# KiCad board Combined.kicad_pcb (continued)
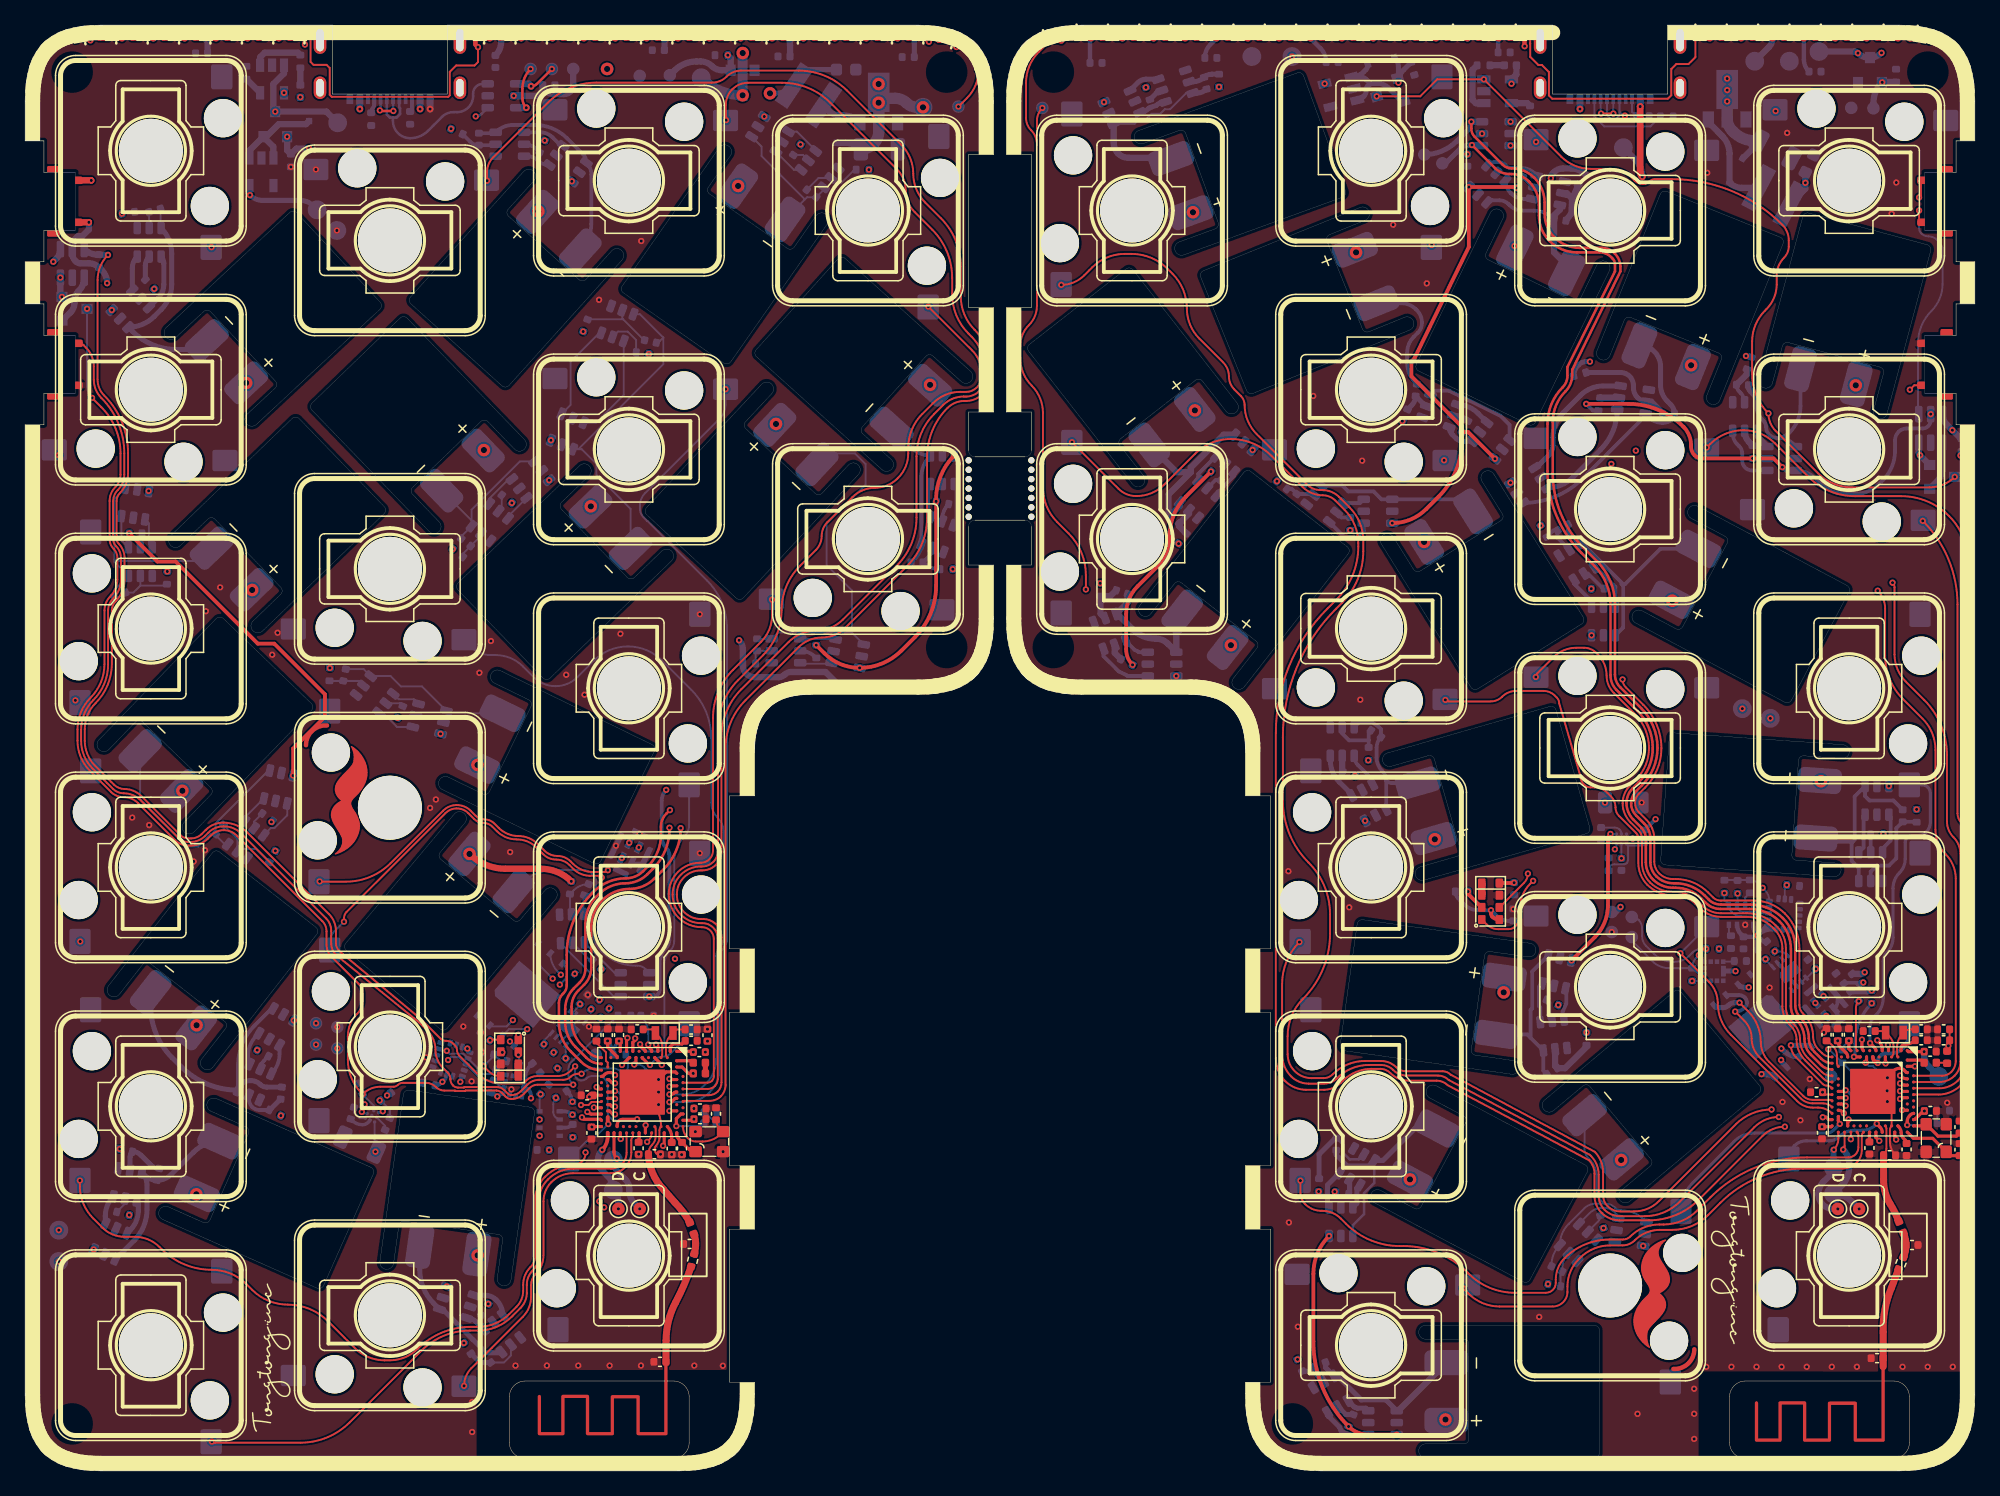
[diagram p0: board, top side]
## Routing (per net, layer and track width the routed paths; a pad name or vN(x,y) marks a point on that pad's centre or on a via; arc(x,y) is an arc through that point) (continued)
B1-: length 40.6
  Bottom w0.15: C1#2.2 10.8,99.16
  Bottom w0.3: Q11.6 arc(129.11,84.17) 129.02,84.02 124.17,79.17 arc(121.98,77.71) Q3#2.1
  Bottom w0.4: Q11.6 129.4,84.08 arc(129.9,83.75) 130.49,83.63 130.55,83.63 arc(130.97,83.71) 131.32,83.95 arc(131.42,84.09) 131.45,84.26 C1.2 arc(131.38,84.71) 131.15,85.04 130.86,85.33 arc(130.48,85.9) 130.34,86.58 130.34,88.07 arc(129.85,89.26) B1#2.1 ; B1.1 arc(13.71,89.61) 12.8,89.43 12.04,89.43 arc(10.16,89.8) 8.57,90.87 Q3.1 arc(9.34,91.43) 10.29,92.06 10.85,92.63 arc(11.47,93.55) 11.69,94.64 11.69,97.06 arc(11.47,98.18) Q11#2.6
B2-: length 27
  Bottom w0.3: C2.2 arc(121.12,100.32) 120.24,100.5 119.36,100.5 arc(118.8,100.61) 118.33,100.92 118.22,101.03 arc(117.89,101.25) 117.5,101.33 116.93,101.33 arc(116.71,101.29) Q4#2.1
  Bottom w0.4: B2.1 arc(14.4,26.07) 13.42,25.41 11.67,23.66 arc(11.13,23.31) C2#2.2 arc(9.96,23.29) 9.5,23.6 Q12#2.6 arc(9.61,23.34) 9.71,22.79 9.71,20.84 arc(9.45,19.51) 8.69,18.38 7.21,16.89 arc(7.2,16.89) Q4.1
  Bottom w0.5: Q12.6 122.32,100.59 121.86,100.13 C2.2 121.86,97.17 123.08,95.95
B3-: length 30.2
  Bottom w0.15: B3#2.1 9.17,53.55 12.94,49.79 13.79,49.79 14.78,50.78 C3.2 15.19,51.65 19.39,55.85 ; 15.9,49.98 15.11,50.77
  Bottom w0.5: 91.75,67.87 Q5.1 91.08,65.96 arc(90.63,66.26) 90.1,66.37 arc(89.11,66.57) 88.26,67.13 87.13,68.27 arc(87.05,68.32) Q13#2.6 87.87,69.25 C3#2.2
B4-: length 43.1
  Bottom w0.15: 65.89,66.86 65.89,70.22 63.89,72.23 63.89,75.54 66.99,78.64 66.99,80.29 66.14,81.14 63.97,81.14 ; 65.89,66.86 60.01,66.86 Q14#2.6 58.35,66.35 ; 65.89,66.86 Q6.1
  Bottom w0.3: 145.65,50.17 145.81,50.33 145.81,53.78 Q6#2.1 146.64,53.81 146.99,53.46 148.9,53.46 C4#2.2 ; 145.65,50.17 145.57,50.09 145.57,48.65 146.14,48.08 Q14.6 ; 145.65,50.17 143.01,50.17
B5-: length 27.7
  Bottom w0.15: Q7#2.1 39.43,80.5 35.59,76.66 Q15.6 34.76,74.51 ; Q7.1 88.42,107.42 88.78,107.78 89.33,107.78 89.77,108.22 90.46,108.22 90.83,108.59 91.25,108.59 92.54,109.88 Q15#2.6 ; 35.59,75.79 B5.1
  Bottom w0.4: Q15#2.6 93.41,109.88 arc(93.82,109.96) C5#2.2
  Bottom w0.5: Q7.1 86.76,105.92 arc(86.86,105.45) 87.12,105.05 arc(87.49,104.81) 87.93,104.72 91.16,104.72 arc(91.24,104.7) B5#2.1
B6-: length 30
  Bottom w0.15: 13.84,72.57 7.26,72.57 7.12,72.71 ; 7.12,72.71 7.12,77.52 Q8#2.1 ; 7.12,72.71 7.12,72.49 Q16.6 7.1,70.23 C6#2.2
  Bottom w0.3: Q8.1 140.91,81.91 arc(140.39,82.26) 139.78,82.38 139.62,82.38 ; B6#2.1 141.5,84.91 arc(141.28,83.78) 140.64,82.82 140.61,82.79 arc(140.15,82.49) 139.62,82.38 ; Q16#2.6 137.99,84.89 arc(138.1,84.35) 138.41,83.89 138.54,83.75 arc(138.7,83.52) 138.76,83.24 arc(139.01,82.63) 139.62,82.38
  Bottom w0.5: Q16#2.6 137.99,85.31 arc(137.93,85.64) 137.75,85.91 137.55,86.1 arc(137.41,86.32) C6.2
B7-: length 30.8
  Bottom w0.3: C7#2.2 37.33,106.68 arc(37.42,106.7) Q17.6 arc(38.15,107.19) 38.92,107.34 40.61,107.34 arc(42.01,107.06) 43.2,106.27 44.46,105.01 arc(44.66,104.7) Q9#2.1 arc(45.03,103.91) 45.13,103.39 45.13,99.43 arc(44.9,98.29) B7.1 ; 119.98,34.55 119.98,34.54 Q17#2.6 121,31.92 C7.2 ; 119.98,34.55 119.98,36.75 120.11,36.88 120.11,39.83 Q9.1 ; 119.98,34.55 119.73,34.81 B7#2.1
B8-: length 42.4
  Bottom w0.15: Q10#2.1 44.36,81.48 45.54,80.3 45.54,79.44 48.26,76.71 B8#2.1 ; 50.87,90.38 49,92.24 Q18#2.6 ; 50.87,90.38 50.87,88.26 44.09,81.48 ; 50.87,90.38 50.46,89.97
  Bottom w0.2: Q10.1 105.82,19.59 106.71,20.48 106.71,22.15 107.53,22.96 Q18.6
  Bottom w0.4: C8.2 104.5,25.2 105.38,24.31 107.08,24.31 Q18.6 108.22,24.76 110.77,27.31 B8.1
B9-: length 28.3
  Bottom w0.15: C9#2.2 26.98,63.94 Q23.6 ; Q19#2.1 31.63,62.56 29.96,62.56 29.13,63.39 27.57,63.39 ; B9#2.1 33.77,60.42
  Bottom w0.5: Q19.1 95.53,82.64 92.91,80.01 92.91,79.64 ; 92.91,79.64 91.13,77.87 91.13,76.38 C9.2 92.03,76.97 Q23#2.6 ; 92.91,79.64 91.77,79.64 B9.1
B10-: length 29.2
  Bottom w0.15: 62.12,101.37 62.32,101.57 C10#2.2 63.64,102.16 ; 62.12,101.37 B10#2.1 ; 62.12,101.37 62.12,101.43 58.7,104.85 58.7,105.61 Q20.1
  Bottom w0.3: 127.24,70.73 127.36,70.61 127.36,67.26 Q20#2.1 ; 127.24,70.73 127.24,70.84 124.09,73.99 Q24#2.6 122.96,74.9 C10.2 ; 127.24,70.73 127.54,70.73 130.33,73.53 B10.1
B11-: length 32.7
  Bottom w0.3: B11.1 70.6,81.62 arc(71.31,81.14) Q21.1 arc(71.61,80.17) 71.42,79.21 Q25#2.6 arc(71.31,73.33) 70.97,72.82 C11#2.2 ; Q21#2.1 118.32,83.41 117.58,84.15 113.49,86.14 112.35,86.14 Q25.6 111.3,86.51 arc(111.13,86.63) C11.2 110.79,86.8 arc(110.31,87.52) 110.14,88.37 110.14,89.15 arc(110.29,89.85) 110.68,90.45 111.01,90.77 arc(111.25,91.13) 111.33,91.56 arc(111.23,92.1) 110.92,92.57 110.83,92.65 arc(110.32,92.99) 109.71,93.11 B11#2.1
B12-: length 36.1
  Bottom w0.3: Q26#2.6 16.97,32.33 arc(17.31,34.05) 18.28,35.51 19.57,36.79 arc(19.66,36.85) Q22.1 ; Q26.6 104.99,78.58 105.45,78.11 107.47,78.11 108.1,77.48 Q22#2.1 114.44,77.48 ; C12#2.2 103.21,78.68
  Bottom w0.4: C12.2 19.25,30.61 arc(18.97,30.66) 18.73,30.82 arc(18.39,31.05) 17.99,31.13 17.95,31.13 arc(17.56,31.05) 17.23,30.83 17.11,30.72 arc(17,30.55) Q26#2.6 arc(14.51,30.85) 12.43,32.24 11.69,32.98 arc(10.45,34.84) 10.01,37.05 B12#2.1
B13-: length 23.9
  Bottom w0.15: 32.93,12.91 arc(32.89,12.9) 32.85,12.88
  Bottom w0.3: Q30#2.6 106.34,59.72 107.33,59.72 107.85,59.37 108.06,59.15 C13.2 arc(107.81,58.14) 107.71,57.69 107.71,56.89 arc(107.83,56.31) 108.16,55.81 108.16,55.81 arc(108.4,55.46) 108.48,55.06 ; B13#2.1 108.97,54.85 arc(108.7,54.9) 108.48,55.06 ; 108.48,55.06 Q27.1
  Bottom w0.4: B13.1 31.45,16.03 arc(31.74,14.59) 32.55,13.37 Q27#2.1 arc(33.24,12.86) 33.42,12.74 36.41,9.76 arc(36.51,9.6) C13#2.2 37.83,9.42 arc(37.91,9.44) Q30.6
B14-: length 31.3
  Bottom w0.15: B14#2.1 39.53,46.83 arc(40.75,47.65) 42.18,47.93 44.45,47.93 arc(44.84,47.85) 45.18,47.63 45.32,47.49 arc(45.47,47.27) 45.52,47.01 45.52,46.77 arc(45.47,46.54) 45.34,46.34 45.15,46.15 arc(44.88,45.97) C14.2 ; Q28#2.1 49.44,40.03 arc(49.16,40.22) 48.82,40.29 48.66,40.29 arc(47.19,40.58) 45.94,41.42 arc(45.39,42.24) 45.2,43.21 45.2,43.36 arc(45.13,43.69) 44.94,43.97 Q31#2.6 44.5,45.84
  Bottom w0.4: Q28.1 108.46,5.66 106.49,5.66 104.57,7.58 Q31.6 103.65,8.25 C14#2.2
  Bottom w0.5: 109.44,4.8 B14.1
B+: length 45.6
  Top w0.5: v1(35.42,49.2) arc(36.73,48.33) 38.27,48.02 41.11,48.02 arc(42.42,47.76) v2(43.53,47.02)
  In1.Cu w0.5: v2(126.42,80.3) 127.31,80.3 v2(128.37,81.36)
  In2.Cu w0.5: 35.43,100.7 35.47,100.74 35.47,103.36 arc(35.07,105.35) v2(33.95,107.03) ; v2(118.7,97.68) 119.84,98.82 arc(121.14,100.77) v2(121.6,103.08)
  Bottom w0.15: v2(137.15,88.91) 137.26,88.81 R16#2.1
  Bottom w0.4: v2(124.71,88.46) 124.43,88.46 arc(124.1,88.4) 123.81,88.21 123.78,88.18 arc(123.52,87.78) R11.1
  Bottom w0.5: v2(65,62.51) 63.8,63.71 61.04,63.71 arc(60.77,63.66) 60.54,63.5 arc(60.31,63.35) 60.05,63.3 58.14,63.3 arc(57.48,63.57) 57.21,64.23 R14.1 57.21,65.52 arc(57.13,65.91) v2(56.91,66.24) ; 2.81,93.75 v2(2.81,95.16) ; U3.6 150.92,81.23 arc(150.95,81.1) v2(151.02,80.99) Q2#2.2 ; R12#2.1 arc(123.85,103.74) 123.22,103.86 122.54,103.86 arc(122.18,103.79) 121.88,103.59 121.77,103.48 arc(121.65,103.3) v2(121.6,103.08)
  Bottom w1: v1(117.84,38.16) 117.84,39.32
  vias: v1(12.54,54.24) v1(13.67,35.54) v1(13.65,22.06) v1(17.62,86.76) v1(18.1,70.25) v1(36.06,56.3) v1(36.07,17.19) v1(36.57,81.41) v1(40.91,100.45) v1(45.09,76.92) v1(56.83,102.47) v1(59.85,83.49) v1(72.13,86.61) v1(93.08,100.37) v1(93.23,84.57) v1(96.1,65.85) v1(106.08,97.17) v1(110.37,23.25) v1(111.5,74.08) v1(112.35,50.37) v1(113.2,4.1) v1(127.2,24.8) v1(131.28,69.4) v1(132.78,88.17) v1(143.13,55) v1(145.9,86.57) v2(2.69,19.2) v2(2.94,93.62) v2(7.55,25.68) v2(7.72,100.26) v2(11.33,71.73) v2(19.95,49.45) v2(20.38,28.34) v2(24.29,64.03) v2(34.08,73.51) v2(34.97,10.2) v2(44.48,90.86) v2(67.26,103.77) v2(73.94,71.91) v2(85.68,70.78) v2(91.93,73.94) v2(95.15,110.37) v2(99.77,78.93) v2(101.41,8.89) v2(103.1,22.28) v2(107.05,56.67) v2(109.77,83.72) v2(120.79,75.38) v2(121.37,14.9) v2(124.44,34.96) v2(136.87,60.79) v2(150.75,52.75)
CC1: length 8.5
  Bottom w0.15: J1#2.A5 125.07,108 125.85,107.22 129.54,107.22 R33#2.1
  Bottom w0.3: J1.A5 27.83,108.94 arc(27.81,108.83) 27.75,108.74 arc(27.63,108.56) 27.59,108.35 R33.1
CC2: length 2.6
  Bottom w0.15: J1#2.B5 128.07,108.38 R34.1
  Bottom w0.3: R34#2.1 30.83,108.55 J1.B5
P0.02: length 129.7
  Top w0.15: U30#2.A12 54.4,30.46 arc(54.71,30.52) 54.97,30.7 arc(55.15,30.96) 55.21,31.26 55.21,42.46 arc(54.85,43.32) 53.99,43.68 53.89,43.68 arc(52.27,44.35) 51.61,45.96 arc(52.26,47.54) 53.85,48.2 53.96,48.2 arc(54.85,48.57) 55.23,49.47 55.23,59.21 arc(55.64,61.29) 56.82,63.05 58.81,65.04 arc(59.9,66.68) 60.29,68.61 arc(60.67,70.54) 61.76,72.18 63.03,73.44 arc(63.37,73.95) 63.49,74.55 arc(63.61,75.15) 63.95,75.66 65.94,77.66 arc(66.77,78.21) 67.74,78.4 arc(68.71,78.59) 69.53,79.14 69.59,79.2 arc(70.18,80.09) 70.39,81.13 70.39,81.59 arc(70.68,83.05) 71.51,84.29 72.38,85.17 arc(73.36,85.82) 74.52,86.05 74.99,86.05 arc(75.87,86.41) 76.23,87.28 76.23,87.56 arc(76.03,88.53) 75.49,89.35 v2(71.99,92.85) ; U30.A12 152.56,30.51 arc(153.36,30.67) 154.03,31.12 arc(154.43,31.72) 154.57,32.43 154.57,51.07 arc(154.5,51.42) 154.3,51.72 arc(154.09,52.04) 154.01,52.42 154.01,69.08 arc(153.29,72.69) v2(151.24,75.76)
P0.03: length 193.1
  Top w0.15: v2(83.43,82.03) 87.15,78.32 arc(87.79,77.89) 88.53,77.74 88.59,77.74 arc(89.78,77.98) 90.78,78.65 93.24,81.11 arc(94.55,81.99) 96.09,82.29 arc(97.85,81.94) 99.34,80.95 101.82,78.47 arc(102.56,77.98) 103.42,77.8 arc(103.96,77.7) 104.41,77.39 105.15,76.65 arc(105.97,75.43) 106.25,74 106.25,73.7 arc(105.8,71.41) 104.5,69.47 103.79,68.76 arc(100.75,64.21) 99.68,58.84 99.68,32.9 arc(99.88,31.91) 100.44,31.08 arc(101.2,30.57) 102.1,30.39 103.51,30.39 arc(104.24,30.54) 104.86,30.95 105.03,31.12 arc(106.08,31.82) 107.31,32.06 108.01,32.06 arc(108.44,31.98) 108.81,31.73 arc(109.48,31.28) 110.28,31.12 112.51,31.12 arc(112.98,31.03) 113.37,30.76 124.63,24.78 arc(124.97,24.28) 125.08,23.7 125.08,21.94 arc(125.23,21.2) 125.64,20.58 arc(126.31,20.14) 127.09,19.98 129.42,19.98 arc(131.57,20.41) 133.38,21.62 138.48,26.72 arc(139.29,27.26) v2(140.25,27.45)
  Top w0.25: U30.B13 149.49,30.26 arc(149.46,30.27) v2(149.43,30.29) ; U30#2.B13 51.86,30.21 arc(51.79,30.2) 51.73,30.16 51.69,30.11 arc(51.59,30.05) 51.48,30.03 v2(51.36,30.03)
  In2.Cu w0.15: v2(149.43,30.29) 149.24,30.29 arc(149.1,30.26) 148.98,30.18 arc(148.91,30.07) 148.88,29.94 148.88,29.44 arc(148.84,29.2) 148.7,29 arc(148.31,28.74) 147.84,28.64 147.4,28.64 arc(146.73,28.51) 146.16,28.13 145.73,27.7 arc(144.67,26.99) 143.43,26.74 141.97,26.74 arc(141.04,26.93) v2(140.25,27.45)
  Bottom w0.15: K10#2.1 35.59,65.67 arc(36.27,65.22) 37.07,65.06 37.49,65.06 arc(38.68,64.82) 39.69,64.15 40.54,63.3 arc(41.33,62.77) 42.28,62.58 arc(43.22,62.77) 44.02,63.3 45.35,64.63 arc(46.59,65.46) 48.05,65.75 arc(49.52,65.46) 50.76,64.63 53.09,62.29 arc(54.27,60.53) 54.69,58.45 54.69,53.3 arc(54.81,52.65) 55.18,52.11 arc(55.55,51.56) 55.67,50.91 55.67,42.5 arc(55.6,42.12) 55.38,41.79 arc(55.16,41.47) 55.09,41.08 55.09,32.88 arc(54.87,31.79) 54.25,30.86 54.14,30.75 arc(53.34,30.22) 52.38,30.03 v2(51.36,30.03)
P0.06: length 49.4
  Top w0.25: v2(147.04,34.11) 147.42,33.73 arc(147.49,33.63) U30.L1 ; v2(49.01,34.02) 49.01,33.97 arc(49.02,33.93) 49.05,33.89 49.42,33.51 arc(49.43,33.5) 49.44,33.48 U30#2.L1
  Bottom w0.15: K14#2.2 52.92,51.5 arc(52.83,51.02) 52.56,50.61 arc(51.95,49.7) 51.74,48.63 51.74,42.26 arc(51.66,41.85) 51.43,41.51 arc(51.07,40.98) 50.95,40.35 50.95,34.03 arc(50.78,33.62) 50.37,33.45 49.58,33.45 arc(49.18,33.61) 49.01,34.01 v2(49.01,34.02)
  Bottom w0.25: v2(147.04,34.11) 147.04,35.4 arc(147.13,35.85) 147.38,36.22 147.52,36.36 arc(147.95,36.99) 148.09,37.74 148.09,40.63 arc(148.17,41.02) 148.39,41.35 arc(148.75,41.88) 148.87,42.51 148.87,46.46 arc(149.01,47.13) 149.38,47.69 arc(149.72,48.2) 149.84,48.8 149.84,50.13 arc(149.88,50.33) 149.99,50.49 arc(150.18,50.62) 150.4,50.66 150.84,50.66 arc(151.2,50.74) 151.51,50.94 arc(151.77,51.32) 151.85,51.76 151.85,54.02 arc(151.8,54.29) 151.64,54.52 arc(151.44,54.66) 151.19,54.71 K3.2
P0.07: length 10.3
  Top w0.25: v2(49.8,32.38) 49.77,32.38 arc(49.75,32.38) 49.73,32.4 49.19,32.93 arc(49.19,32.94) 49.19,32.95 U30#2.M2
  Top w0.3: U30.M2 arc(147.3,32.82) 147.41,32.66 147.45,32.61 arc(147.54,32.55) v2(147.65,32.53)
  Bottom w0.15: v2(49.8,32.38) 50.21,32.79 arc(50.47,32.97) 50.79,33.03 arc(51.17,33.11) 51.49,33.32 52.29,34.12 arc(52.76,34.83) K13#2.2
  Bottom w0.3: v2(147.65,32.53) 147.65,32.57 arc(147.71,32.88) 147.88,33.13 arc(148.06,33.25) 148.27,33.29 148.67,33.29 arc(149.19,33.4) 149.63,33.69 149.67,33.73 arc(150.04,34.29) 150.17,34.94
P0.09: length 227.3
  Top w0.15: v2(139.19,28.82) arc(137.65,28.52) 136.34,27.64 130.21,21.51 arc(129.31,20.91) 128.23,20.69 127.14,20.69 arc(126.59,20.8) 126.12,21.11 arc(125.86,21.51) 125.76,21.98 125.76,23.84 arc(125.59,24.71) 125.09,25.45 113.61,31.6 arc(113.32,31.8) 112.96,31.87 110.03,31.87 arc(109.64,31.95) 109.31,32.17 arc(108.73,32.56) 108.05,32.69 106.8,32.69 arc(105.4,32.42) 104.21,31.62 arc(103.88,31.4) 103.49,31.32 102.53,31.32 arc(101.18,31.88) 100.62,33.23 100.62,34.68 arc(100.94,36.29) 101.85,37.65 arc(103.45,40.03) 104,42.84 104,44.38 arc(103.56,46.62) 102.29,48.51 arc(100.78,50.78) 100.24,53.46 100.24,58.52 arc(101.35,64.06) 104.48,68.75 104.94,69.2 arc(106.21,71.11) 106.65,73.35 106.65,74.19 arc(106.37,75.62) 105.55,76.84 104.74,77.66 arc(104.11,78.08) 103.37,78.22 103.22,78.22 arc(102.66,78.33) 102.19,78.65 98.16,82.67 arc(97.45,83.75) 97.19,85.01 arc(97.12,85.39) 96.9,85.71 96.38,86.23 arc(96.06,86.72) 95.94,87.29 arc(95.82,87.89) 95.48,88.4 93.59,90.3 arc(92.85,91.4) 92.59,92.7 arc(92.3,94.2) 91.44,95.47 91.05,95.86 arc(89.74,96.74) 88.18,97.05 87.64,97.05 arc(86.24,96.77) 85.05,95.98 84.41,95.34 arc(83.57,94.78) v2(82.58,94.58)
  Top w0.25: U30.L24 147.51,26.59 v2(147.78,26.32) ; U30#2.L24 49.44,27.54 arc(49.44,27.55) 49.45,27.56 v2(49.46,27.57)
  In1.Cu w0.15: v2(4.4,42.22) 4.28,42.22 arc(4.17,42.2) 4.07,42.14 2.9,40.96 arc(1.97,39.57) 1.65,37.93 1.65,26.83 arc(2.06,24.74) 3.24,22.98 6.67,19.55 arc(7.99,18.67) 9.55,18.36 arc(11.1,18.05) 12.42,17.17 13.18,16.4 arc(14.33,15.64) 15.69,15.37 arc(17.14,15.08) 18.37,14.26 19.23,13.4 arc(20.86,12.31) 22.78,11.93 23.16,11.93 arc(24.83,11.6) 26.24,10.65 arc(27.66,9.71) 29.32,9.38 33.56,9.38 arc(35.64,9.79) 37.41,10.97 38.65,12.22 arc(39.36,13.28) 39.61,14.52 39.61,15.26 arc(39.73,15.88) 40.08,16.41 arc(40.31,16.75) 40.4,17.16 40.4,21.98 arc(40.57,22.87) 41.08,23.62 41.11,23.65 arc(41.89,24.18) 42.82,24.36 43.07,24.36 47.37,24.36 arc(47.64,24.41) 47.88,24.57 arc(48.03,24.8) 48.09,25.08 48.09,25.49 arc(48.22,26.15) 48.59,26.7 v2(49.46,27.57)
  In2.Cu w0.15: v2(147.78,26.32) 147.48,26.02 arc(147.15,25.8) 146.75,25.72 145.89,25.72 arc(145.6,25.78) 145.35,25.94 arc(145.19,26.05) 144.99,26.09 140.98,26.09 arc(140.29,26.23) 139.7,26.62 arc(139.33,27.19) 139.19,27.85 v2(139.19,28.82)
P0.10: length 112.9
  Top w0.15: v2(49.58,26.24) 49.68,26.35 arc(49.87,26.63) U30#2.J24
  Top w0.25: v2(147.58,27.7) 147.58,27.67 147.85,27.4 arc(147.97,27.22) U30.J24
  In1.Cu w0.15: v2(4.01,61.45) 3.8,61.24 3.41,60.79 3.05,60.32 2.72,59.83 2.42,59.32 2.16,58.79 1.93,58.24 1.74,57.68 1.59,57.11 1.47,56.53 1.4,55.94 1.36,55.35 1.36,55.05 1.36,26.78 1.36,26.54 1.4,26.05 1.49,25.58 1.61,25.11 1.78,24.65 1.98,24.21 2.22,23.79 2.5,23.39 2.82,23.02 2.98,22.85 6.55,19.28 6.56,19.28 6.7,19.14 7.01,18.89 7.34,18.67 7.69,18.48 8.06,18.32 8.44,18.21 8.84,18.13 9.23,18.09 9.43,18.09 9.63,18.09 10.03,18.05 10.42,17.97 10.8,17.85 11.17,17.7 11.53,17.51 11.86,17.29 12.17,17.04 12.31,16.9 13.07,16.14 13.21,16 13.53,15.75 13.86,15.54 14.22,15.37 14.59,15.23 14.98,15.15 15.38,15.1 15.77,15.1 16.17,15.05 16.55,14.96 16.93,14.83 17.29,14.66 17.62,14.45 17.93,14.2 18.08,14.06 18.93,13.21 19.1,13.05 19.45,12.75 19.83,12.48 20.23,12.25 20.65,12.06 21.08,11.9 21.52,11.78 21.98,11.7 22.44,11.66 22.67,11.66 23.05,11.66 23.27,11.66 23.69,11.61 24.11,11.53 24.52,11.41 24.92,11.24 25.29,11.04 25.65,10.8 25.98,10.53 26.28,10.23 26.61,9.96 26.97,9.73 27.35,9.52 27.74,9.36 28.15,9.24 28.57,9.15 29,9.11 29.21,9.11 33.67,9.11 33.91,9.11 34.38,9.15 34.85,9.24 35.31,9.36 35.75,9.52 36.18,9.72 36.6,9.96 36.98,10.23 37.35,10.54 37.52,10.7 38.92,12.11 39.05,12.24 39.28,12.52 39.47,12.83 39.63,13.16 39.75,13.51 39.83,13.87 39.87,14.23 39.88,14.41 39.88,15.02 arc(40.02,15.73) 40.42,16.34 arc(40.63,16.64) 40.7,16.99 40.7,22.01 40.7,22.14 40.73,22.4 40.8,22.65 40.9,22.9 41.03,23.13 41.19,23.34 41.29,23.43 41.39,23.53 41.63,23.71 41.88,23.86 42.16,23.97 42.44,24.05 42.73,24.09 42.88,24.09 47.25,24.09 47.26,24.08 47.5,24.09 47.75,24.16 47.97,24.28 47.99,24.3 48,24.3 48.07,24.38 48.15,24.45 48.15,24.46 48.16,24.47 48.29,24.7 48.36,24.95 48.36,25.19 48.36,25.2 48.36,25.37 48.36,25.37 48.36,25.6 48.4,25.83 48.41,25.85 48.48,25.98 48.54,26.05 48.6,26.1 48.75,26.18 48.91,26.23 49.56,26.23 v2(49.58,26.24)
  Bottom w0.25: v2(147.58,27.7) 147.46,27.58 arc(147,27.27) 146.45,27.16 145.83,27.16 arc(145.14,27.03) 144.55,26.63 arc(144.21,26.4) 143.81,26.32 141.97,26.32 arc(141.46,26.22) 141.02,25.93 141.01,25.92 arc(140.69,25.44) K5#2.2
P0.13: length 204.7
  Top w0.15: U30.AD8 143.91,31.51 arc(143.54,31.59) 143.21,31.8 142.07,32.95 arc(141.62,33.62) 141.46,34.41 arc(141.33,35.09) 140.94,35.66 140.86,35.75 arc(140.47,36.33) 140.33,37.01 140.33,41.7 arc(140.15,42.62) 139.63,43.39 139.5,43.53 arc(138.45,44.23) 137.21,44.47 135.15,44.47 arc(134.35,44.63) 133.67,45.08 133.37,45.39 arc(132.5,45.97) 131.47,46.17 131.31,46.17 arc(130.34,46.37) 129.52,46.92 arc(129.04,47.64) 128.86,48.5 128.86,50.43 arc(128.79,50.78) 128.59,51.08 127.95,51.73 arc(127.49,52.42) 127.32,53.23 arc(127.48,54) 127.91,54.65 128.37,55.11 arc(129.15,56.28) 129.42,57.65 arc(129.13,59.11) 128.31,60.35 126.62,62.03 arc(126.19,62.68) 126.04,63.43 arc(125.86,64.34) 125.35,65.11 125.21,65.24 arc(124.77,65.54) 124.25,65.64 123.61,65.64 arc(122.64,65.45) 121.82,64.9 120.52,63.6 arc(120.44,63.47) v2(120.4,63.31)
  Top w0.25: U30#2.AD8 45.99,31.46 arc(46.03,31.47) 46.07,31.5 46.19,31.62 arc(46.36,31.73) 46.57,31.77 46.66,31.77 arc(46.8,31.74) 46.91,31.67 v2(47.02,31.56)
  In1.Cu w0.15: v2(45.77,21.5) 45.77,21.96 arc(45.68,22.38) 45.44,22.74 45.2,22.99 arc(44.7,23.32) 44.1,23.44 42.75,23.44 arc(41.71,23.01) 41.29,21.97 41.29,17.02 arc(41.17,16.45) 40.85,15.97 arc(40.53,15.49) 40.42,14.92 40.42,14.19 arc(40.17,12.94) 39.46,11.88 37.74,10.16 arc(35.98,8.98) 33.89,8.57 28.99,8.57 arc(27.32,8.9) 25.91,9.85 arc(24.5,10.79) 22.83,11.12 22.44,11.12 arc(20.42,11.52) 18.71,12.67 17.85,13.52 arc(16.7,14.29) 15.35,14.56 arc(14,14.83) 12.85,15.6 12.09,16.36 arc(10.77,17.24) 9.21,17.55 arc(7.58,17.87) 6.2,18.8 2.45,22.55 arc(1.2,24.42) 0.76,26.63 0.76,78.18 arc(1.12,80.02) 2.17,81.58 5.72,85.14 arc(6.22,85.88) 6.4,86.76 arc(6.73,88.45) 7.69,89.88 14.47,96.67 arc(14.76,97.09) v2(14.86,97.59)
  In2.Cu w0.15: v2(47.02,31.56) arc(46.74,31.51) 46.51,31.35 46.41,31.25 arc(46.21,30.95) 46.14,30.59 46.14,29.3 arc(46.09,29.07) 45.96,28.88 arc(45.76,28.57) 45.69,28.21 45.69,27.38 arc(45.76,27.01) 45.97,26.69 46.54,26.12 arc(46.63,25.99) 46.66,25.83 46.66,25.72 arc(46.64,25.59) 46.56,25.48 arc(46.41,25.25) 46.36,24.99 46.36,22.94 arc(46.21,22.16) v2(45.77,21.5)
P0.14: length 131.6
  Top w0.25: v2(47.02,30.91) 46.92,30.91 arc(46.82,30.93) 46.74,30.99 46.54,31.18 arc(46.51,31.2) 46.48,31.21 U30#2.AC9
  In1.Cu w0.15: 46.21,21.11 arc(46.2,21.08) 46.18,21.04 v2(46.15,21.02) arc(46.27,21.2) 46.32,21.41 46.32,21.42 arc(46.12,22.39) 45.57,23.21 arc(44.97,23.62) 44.25,23.76 42.75,23.76 arc(42.08,23.63) 41.52,23.25 arc(41.12,22.66) 40.99,21.97 40.99,17.06 arc(40.88,16.53) 40.58,16.08 arc(40.26,15.6) 40.15,15.04 40.15,14.3 arc(39.9,13.05) 39.19,12 37.63,10.43 arc(35.86,9.25) 33.78,8.84 29.1,8.84 arc(27.43,9.17) 26.02,10.11 arc(24.61,11.06) 22.94,11.39 22.56,11.39 arc(20.53,11.79) 18.82,12.94 17.96,13.79 arc(16.82,14.56) 15.46,14.83 arc(14.11,15.1) 12.96,15.87 12.2,16.63 arc(10.88,17.51) 9.32,17.82 arc(7.72,18.14) 6.36,19.05 2.8,22.61 arc(1.51,24.54) 1.06,26.81 1.06,77.06 arc(1.48,79.19) v2(2.69,81)
  In2.Cu w0.15: v2(47.02,30.91) 46.76,30.91 arc(46.68,30.9) 46.61,30.85 arc(46.52,30.71) 46.49,30.55 46.49,29.18 arc(46.43,28.92) 46.29,28.7 arc(46.1,28.42) 46.04,28.1 46.04,27.69 arc(46.14,27.17) 46.44,26.73 46.77,26.39 arc(46.97,26.1) 47.04,25.75 47.04,25.66 arc(47,25.47) 46.89,25.3 46.85,25.26 arc(46.73,25.08) 46.69,24.88 46.69,22.3 arc(46.55,21.61) v2(46.15,21.02)
P0.15: length 52.2
  Top w0.15: U30.AD10 143.96,31.01 arc(143.63,31.08) 143.35,31.26 141.88,32.74 arc(141.36,33.51) 141.18,34.41 arc(141.07,34.99) 140.74,35.47 140.67,35.55 arc(140.21,36.23) 140.05,37.03 140.05,41.67 arc(139.89,42.5) 139.42,43.19 139.3,43.31 arc(138.34,43.96) 137.2,44.18 135.18,44.18 arc(134.24,44.37) 133.44,44.9 133.13,45.21 arc(132.38,45.72) 131.49,45.89 131.34,45.89 arc(130.24,46.11) 129.3,46.74 arc(128.76,47.54) 128.57,48.48 128.57,50.45 arc(128.53,50.67) 128.4,50.86 127.03,52.24 arc(126.83,52.54) 126.75,52.9 arc(126.66,53.39) 126.38,53.81 126.11,54.07 arc(125.63,54.4) 125.05,54.51 124.75,54.51 arc(124.49,54.57) 124.26,54.71 124.24,54.74 arc(124.02,55.07) 123.94,55.45 122.26,61.22 arc(122.22,61.46) 122.08,61.67 121.9,61.84 arc(121.51,62.11) 121.04,62.2 118.83,62.2 arc(118.23,62.08) 117.72,61.74 arc(117.3,61.46) 116.81,61.36 113.48,61.36 arc(113.33,61.39) v2(113.19,61.48)
P0.24: length 82.8
  Top w0.15: v2(4.37,23.16) 4.37,22.71 arc(4.64,21.32) 5.44,20.13 6.18,19.39 arc(6.97,18.86) 7.92,18.67 8.75,18.67 arc(9.81,18.46) 10.71,17.86 10.87,17.69 arc(12.7,16.47) 14.87,16.04 arc(16.37,15.74) 17.65,14.89 18.1,14.44 arc(19.4,13.57) 20.95,13.26 arc(22.67,12.92) 24.14,11.94 26.28,9.8 arc(27.36,9.07) 28.64,8.82 29.08,8.82 arc(30.27,9.06) 31.28,9.73 arc(33.23,11.03) 35.53,11.49 36.13,11.49 arc(37.46,11.75) 38.58,12.51 39.17,13.1 arc(39.56,13.68) 39.7,14.36 39.7,14.85 arc(39.85,15.61) 40.28,16.25 arc(40.56,16.67) 40.66,17.17 40.66,21.62 arc(40.85,22.59) 41.4,23.41 41.47,23.48 arc(42.54,24.2) 43.81,24.45 arc(44.41,24.7) 44.67,25.31 v2(44.67,25.4) ; v2(131.92,41.28) 134.2,39 arc(134.72,38.23) 134.9,37.31 arc(135.18,35.94) 135.96,34.77 141.24,29.48 arc(141.81,29.11) 142.48,28.97 142.9,28.97 arc(143.5,28.85) U30.AD20
  Top w0.25: v2(44.82,28.63) 44.9,28.55 arc(44.99,28.48) 45.11,28.46 U30#2.AD20
  In2.Cu w0.15: v2(44.67,25.4) 44.67,27.51 arc(44.7,27.67) 44.79,27.8 arc(44.86,27.91) 44.89,28.04 44.89,28.46 arc(44.87,28.55) v2(44.82,28.63)
  Bottom w0.15: 134.02,43.38 v2(131.92,41.28)
P0.25: length 21.5
  Top w0.25: U30.AC21 144.51,27.95 arc(144.54,27.8) v2(144.63,27.67)
  Top w0.3: U30#2.AC21 46.44,27.71 v2(46.48,27.66)
  Bottom w0.15: K12.2 44.71,26.25 arc(44.85,26.35) 45.02,26.38 arc(45.18,26.41) 45.33,26.51 v2(46.48,27.66)
  Bottom w0.25: v2(144.63,27.67) 144.12,27.17 arc(143.88,27) 143.58,26.94 137.86,26.94 arc(136.97,26.77) 136.21,26.26 132.92,22.97 arc(132.22,21.92) K10.1
P0.28: length 143.7
  Top w0.15: v2(46.45,47.91) 46.38,47.84 arc(46.3,47.78) 46.21,47.77 45.22,47.77 arc(44.39,47.93) 43.68,48.4 43.48,48.61 arc(43,48.93) 42.43,49.04 arc(41.86,49.15) 41.38,49.47 40.87,49.98 arc(40.16,50.46) 39.31,50.63 arc(38.47,50.8) 37.75,51.28 37.38,51.64 arc(37.04,51.87) 36.64,51.95 arc(36.24,52.03) 35.9,52.26 35.51,52.64 arc(35.01,52.98) 34.41,53.1 arc(33.81,52.98) 33.31,52.64 29.13,48.46 arc(27.5,47.37) 25.58,46.99 23.51,46.99 arc(23.5,46.99) 23.49,47 v2(23.48,47.01)
  Top w0.25: v2(51.36,30.65) 51.39,30.68 arc(51.42,30.7) 51.47,30.71 U30#2.B11 ; U30.B11 149.78,30.76 arc(149.59,30.8) v2(149.43,30.91)
  In1.Cu w0.15: v2(149.43,30.91) 150.84,30.91 arc(151.85,31.11) 152.69,31.67 152.92,31.9 arc(153.54,32.83) 153.76,33.92 153.76,68.76 arc(153.45,70.31) 152.57,71.62 152.43,71.77 arc(150.91,72.79) 149.11,73.14 arc(147.74,73.42) 146.57,74.19 145.65,75.11 arc(145.31,75.62) 145.19,76.22 arc(145,77.18) 144.46,78 139.07,83.39 arc(138,84.99) 137.62,86.88 137.97,87.22 141.28,99.74 arc(141.03,101.04) 140.29,102.13 140.05,102.37 arc(139.65,102.97) 139.51,103.68 v2(139.51,108.44)
  In2.Cu w0.15: v2(51.36,30.65) 51.75,30.65 arc(51.97,30.6) 52.16,30.48 arc(52.49,30.25) 52.89,30.18 53.56,30.18 arc(54.16,30.29) 54.67,30.63 55.01,30.98 arc(55.46,31.64) 55.61,32.42 55.61,39.15 arc(55.16,41.44) 53.86,43.38 51,46.24 arc(49.77,47.06) 48.31,47.35 47.79,47.35 arc(47.06,47.49) v2(46.45,47.91)
P0.29: length 151.3
  Top w0.15: v2(59.54,69.48) 59.54,68.24 arc(59.31,67.09) 58.66,66.12 56.42,63.88 arc(55.24,62.12) 54.83,60.04 54.83,49.47 arc(54.54,48.78) 53.86,48.5 53.81,48.5 arc(52.03,47.76) 51.3,45.99 arc(52.07,44.13) 53.93,43.36 53.96,43.36 arc(54.62,43.09) 54.89,42.43 54.89,31.48 arc(54.85,31.28) 54.74,31.11 arc(54.57,31) 54.37,30.96 U30#2.A10 ; U30.A10 152.56,31.01 arc(153.22,31.14) 153.78,31.52 153.78,31.52 arc(154.12,32.03) 154.24,32.63 154.24,49.21 arc(154.1,49.92) 153.69,50.53 arc(153.31,51.11) 153.17,51.79 153.17,57.09 arc(152.7,59.47) 151.35,61.48 149.89,62.95 arc(149.23,63.94) 148.99,65.1 148.99,70.45 arc(148.95,70.66) v2(148.83,70.83)
  In1.Cu w0.15: v2(112.1,97.76) 114.87,100.53 arc(115.97,101.26) 117.27,101.52 arc(118.4,101.3) 119.36,100.66 121.68,98.34 arc(122.98,97.47) 124.51,97.16 126.67,97.16 arc(126.93,97.11) 127.15,96.96 arc(127.32,96.71) 127.38,96.41 127.38,96.35 124.62,89.82 124.06,89.26 arc(123.81,88.89) 123.72,88.45 arc(123.81,88.01) 124.06,87.63 124.41,87.28 arc(125.2,86.76) 126.13,86.57 128.75,86.57 arc(129.39,86.45) 129.93,86.08 131.34,84.68 arc(132.8,83.7) 134.51,83.36 arc(137.49,82.77) 140.01,81.09 142.82,78.28 arc(143.45,77.33) 143.67,76.21 arc(143.86,75.3) 144.37,74.52 147.52,71.38 arc(148.12,70.97) v2(148.83,70.83)